# Altium PCB Copy of GameBoard_V1I1_083018.PcbDoc (part 17 of 21) (continued)
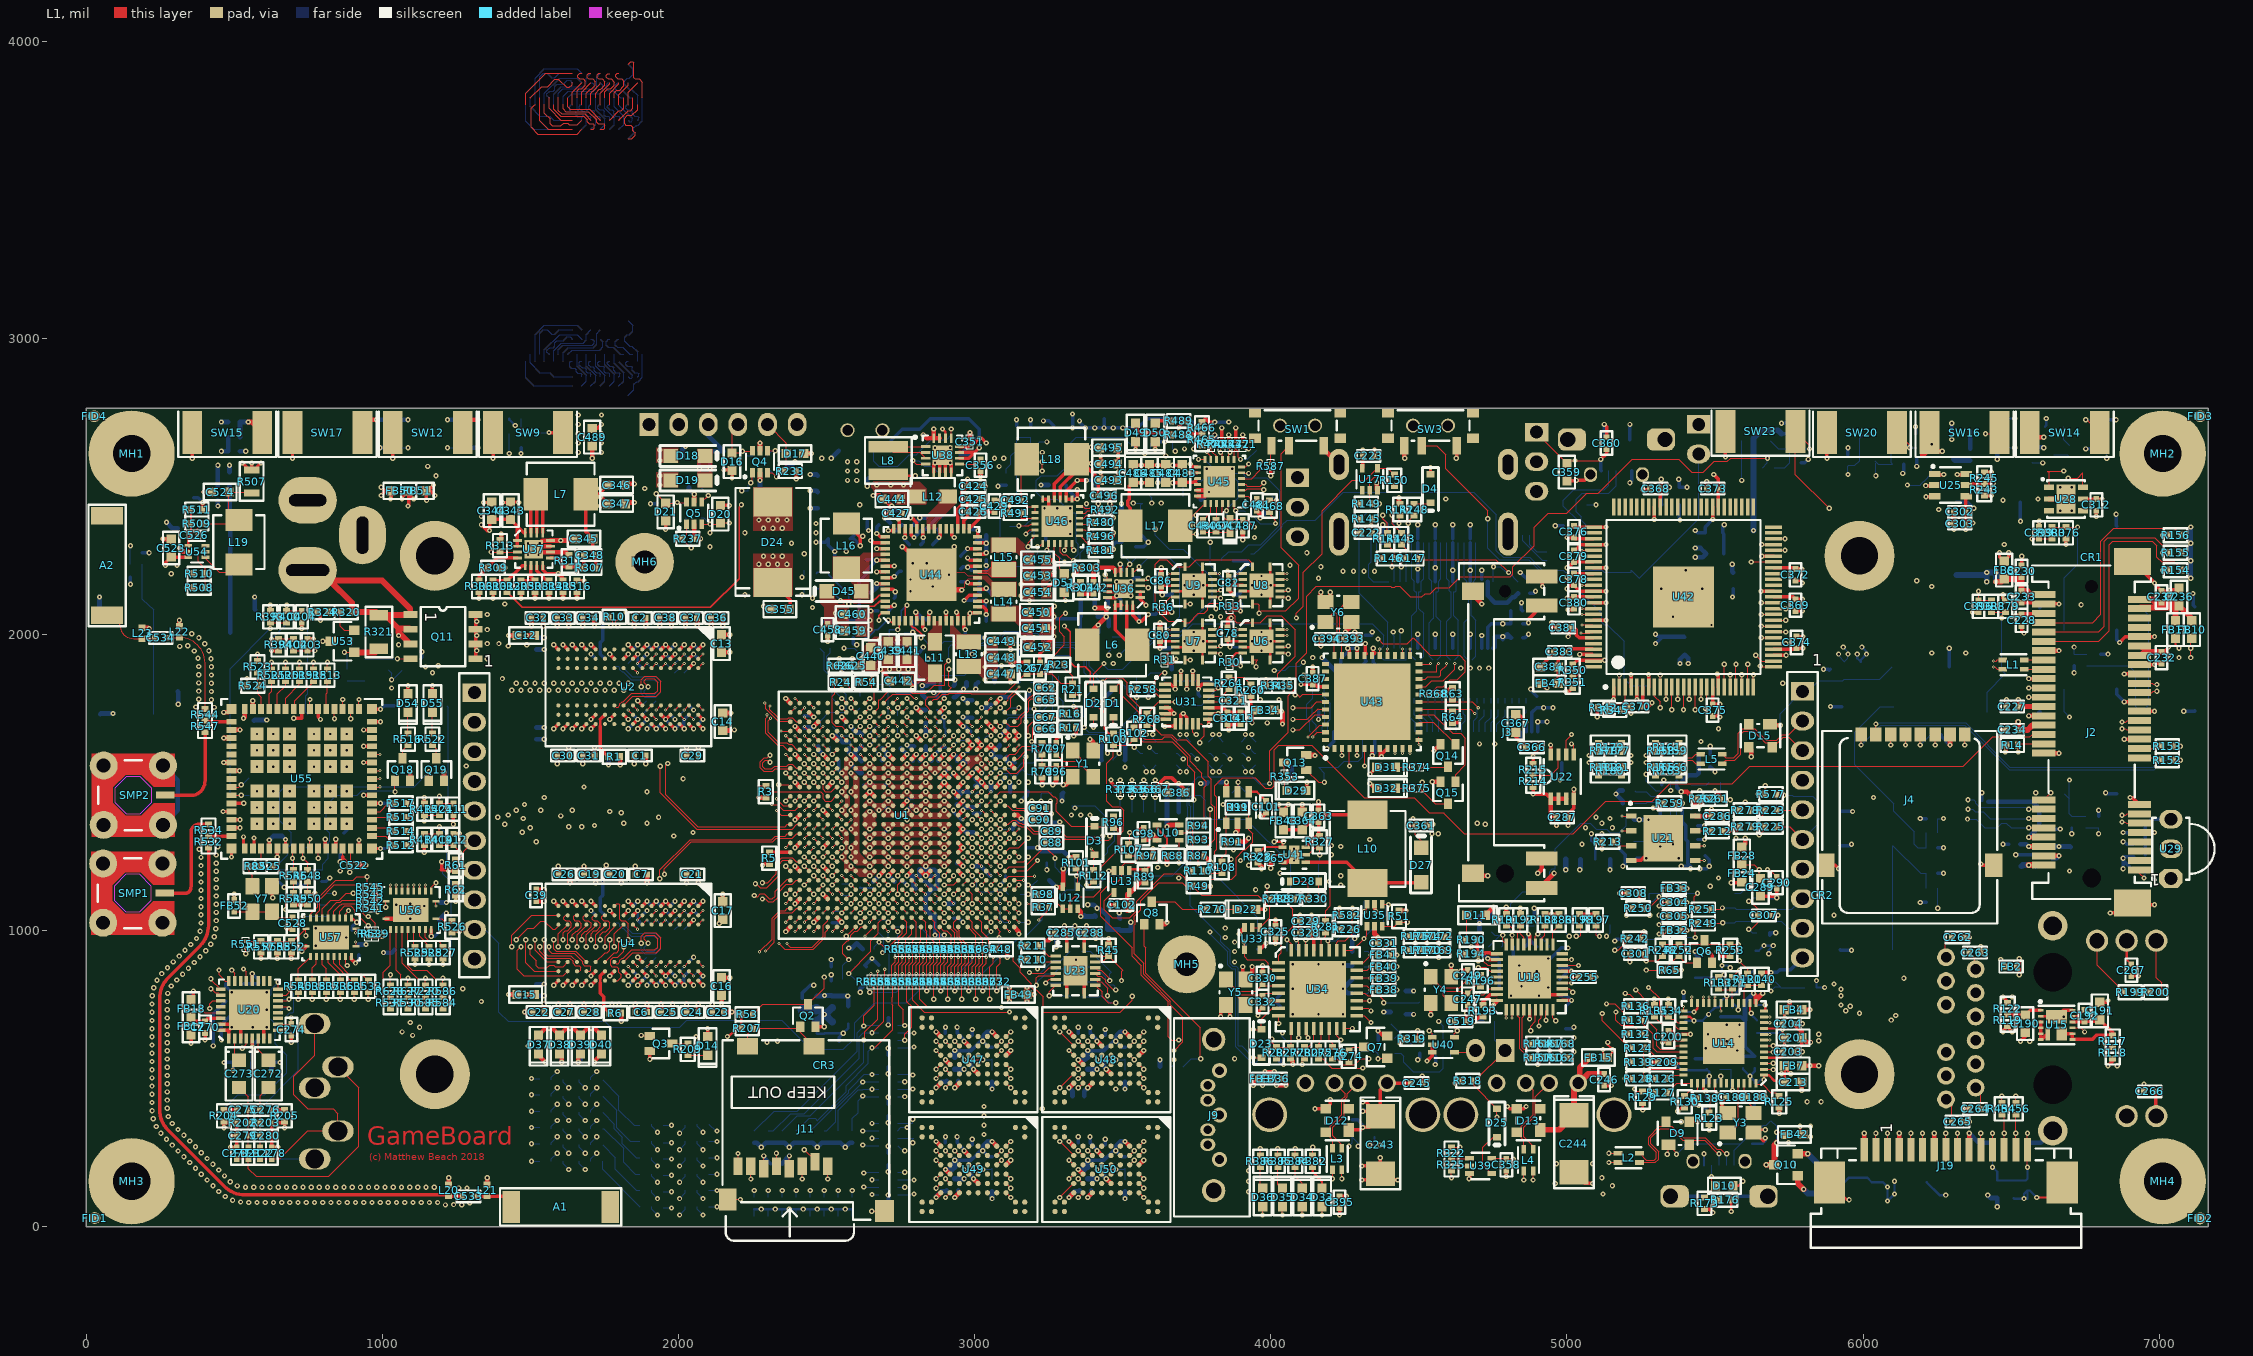
[diagram p0: L1 view]
## Nets (pads, with @x,y where several pads share a name; then routed paths per layer and width w, separated by ;. In a path a pad name is that pad's centre, name@x,y a point inside that pad or via, vN(x,y) a via of type N, cw(c..) or ccw(c..) an arc to the next point about the centre after c; other vN are vias at no path point) (continued)
  L12 w3.94: v1(3437.01,1901.57) 3437.01,1893.7 3448.82,1881.89 3500,1881.89 3625.98,2007.87 3696.85,2007.87 TP39.1@3803.15,2114.17 3803.15,2188.98 3704.72,2287.4 3657.48,2287.4 3610.24,2334.65 v1(3610.24,2354.33) ; D44.2@5589.8,2653.54 5589.8,2599.18 R433.1@5590.55,2598.43 v1(5590.55,2519.68)
QB0: R331.1 U42.10 | length 1165.1
  L1 w3.66: v2(5334.65,1780.51) U42.10@5334.65,1821.85
  L10 w3.66: 5220.47,1751.97 5236.22,1736.22 5330.71,1736.22 5334.65,1740.16 v2(5334.65,1780.51)
  L10 w3.94: v5(4484.25,1734.94) 4484.25,1708.66 4578.74,1614.17 4677.84,1614.17 4685.71,1606.3 4804.17,1606.3 4812.04,1614.17 4858.27,1614.17 4866.56,1605.88 4873.08,1605.88 4881.37,1614.17 4921.26,1614.17 4929.13,1606.3 4946.08,1606.3 4960.63,1620.85 4960.63,1649.45 5063.15,1751.97 5220.47,1751.97
  L11 w3.94: v5(4484.25,1734.94) v6(4484.25,1783.46)
  L12 w3.66: R331.1@4484.25,1766.34 v6(4484.25,1783.46)
QB1: R332.1 U42.11 | length 1247.6
  L1 w3.66: v2(5354.33,1745.08) U42.11@5354.33,1821.85
  L10 w3.94: v5(4460.63,1734.94) 4460.63,1656.89 4525.98,1591.54 4557.3,1591.54 4567.14,1601.38 4679.5,1601.38 4682.45,1598.43 4807.43,1598.43 4810.38,1601.38 4859.93,1601.38 4863.3,1598.01 4876.34,1598.01 4879.71,1601.38 4891.94,1601.38 4898.83,1594.49 4948.82,1594.49 4979.64,1625.31 4979.64,1657.32 5011.29,1688.98 5307.09,1688.98 5358.27,1740.16 v2@5350.39,1748.03
  L11 w3.94: v5(4460.63,1734.94) v6(4460.63,1783.46)
  L12 w3.66: R332.1@4460.63,1766.34 v6(4460.63,1783.46)
QB2: R333.1 U42.12 | length 1287.1
  L1 w3.66: v2(5374.02,1780.51) U42.12@5374.02,1821.85
  L10 w3.94: v5(4437.01,1734.94) 4437.01,1665.35 4530.51,1571.85 4925.43,1571.85 4931.06,1577.48 4942.95,1577.48 4987.51,1622.05 4987.51,1654.06 5011.29,1677.84 5043.31,1677.84 5046.57,1681.1 5310.35,1681.1 5330.03,1700.79 5342.52,1700.79 5370.08,1728.35 v2@5370.08,1783.46
  L11 w3.94: v5(4437.01,1734.94) v6(4437.01,1783.46)
  L12 w3.66: R333.1@4437.01,1766.34 v6(4437.01,1783.46)
QB3: R334.1 U42.13 | length 1333
  L1 w3.66: v2(5393.7,1745.08) U42.13@5393.7,1821.85
  L10 w3.94: v5(4413.39,1734.94) 4413.39,1669.29 4523.62,1559.06 4854.09,1559.06 4856.77,1561.73 4926.44,1561.73 4934.32,1569.61 4946.21,1569.61 4996.06,1619.46 4996.06,1637.8 5004.92,1646.65 5023.26,1646.65 5049.83,1673.23 5313.61,1673.23 5333.29,1692.91 5358.27,1692.91 5389.76,1724.41 v2@5389.76,1748.03
  L11 w3.94: v5(4413.39,1734.94) v6(4413.39,1783.46)
  L12 w3.66: R334.1@4413.39,1766.34 v6(4413.39,1783.46)
QB4: R335.1 U42.14 | length 1373.9
  L1 w3.66: v2(5413.39,1780.51) U42.14@5413.39,1821.85
  L10 w3.94: v5(4389.76,1734.94) 4389.76,1672.55 4511.14,1551.18 4857.35,1551.18 4860.03,1553.86 4929.71,1553.86 4937.58,1561.73 4959.37,1561.73 5012.8,1615.16 5021.86,1615.16 5030.51,1623.81 5030.51,1626.23 5069.63,1665.35 5316.87,1665.35 5336.56,1685.04 5374.02,1685.04 5409.45,1720.47 v2@5409.45,1783.46
  L11 w3.94: v5(4389.76,1734.94) v6(4389.76,1783.46)
  L12 w3.66: R335.1@4389.76,1766.34 v6(4389.76,1783.46)
QB5: R336.1 U42.15 | length 1434.4
  L1 w3.66: v2(5433.07,1745.08) U42.15@5433.07,1821.85
  L10 w3.94: v5(4366.14,1734.94) 4366.14,1685.04 4511.81,1539.37 4602.36,1539.37 4606.3,1535.43 4852.74,1535.43 4863.29,1545.98 4932.97,1545.98 4940.84,1553.86 4971.7,1553.86 5038.39,1620.54 5038.39,1622.97 5072.89,1657.48 5320.13,1657.48 5339.82,1677.17 5405.51,1677.17 5429.13,1700.79 v2@5429.13,1748.03
  L11 w3.94: v5(4366.14,1734.94) v6(4366.14,1783.46)
  L12 w3.66: R336.1@4366.14,1766.34 v6(4366.14,1783.46)
QB6: R337.1 U42.16 | length 1483.9
  L1 w3.66: v2(5452.76,1780.51) U42.16@5452.76,1821.85
  L10 w3.94: v5(4342.52,1734.94) 4342.52,1696.85 4514.76,1524.61 4554.65,1524.61 4559.57,1519.68 4848.13,1519.68 4866.55,1538.11 4936.23,1538.11 4944.1,1545.98 4974.96,1545.98 5046.26,1617.28 5046.26,1619.71 5076.15,1649.61 5323.39,1649.61 5343.08,1669.29 5417.32,1669.29 5448.82,1700.79 v2@5448.82,1783.46
  L11 w3.94: v5(4342.52,1734.94) v6(4342.52,1783.46)
  L12 w3.66: R337.1@4342.52,1766.34 v6(4342.52,1783.46)
QB7: R338.1 U42.17 | length 1551.8
  L1 w3.66: v2@5472.44,1745.08 U42.17@5472.44,1821.85
  L10 w3.94: v5(4318.9,1734.94) 4318.9,1685.04 4487.2,1516.73 4551.39,1516.73 4564.19,1503.94 4865.28,1503.94 4891.58,1530.24 4939.49,1530.24 4947.36,1538.11 4978.22,1538.11 5054.13,1614.02 5054.13,1616.45 5079.42,1641.73 5326.66,1641.73 5346.34,1661.42 5437.01,1661.42 5468.5,1692.91 v2(5468.5,1748.03)
  L11 w3.94: v5(4318.9,1734.94) v6(4318.9,1783.46)
  L12 w3.66: R338.1@4318.9,1766.34 v6(4318.9,1783.46)
QDE: R361.1 U42.46 | length 1935.6
  L1 w3.94: U42.46@5697.83,2283.46 v1(5736.22,2283.46)
  L10 w3.94: v5(4236.22,1761.22) 4247.44,1772.44 4265.8,1772.44 4281.55,1788.19 4573.5,1788.19 4581.17,1780.51 4708.29,1780.51 4719.12,1791.34 4741.43,1791.34 4743.5,1793.41 4745.49,1793.41 4817.6,1865.52 4817.6,2018.39 4839.57,2040.35 4839.57,2052.01 4857.44,2069.88 4869.09,2069.88 4964.57,2165.35 4964.57,2181.1 4992.13,2208.66 5078.74,2208.66 5086.61,2200.79 5484.93,2200.79 5571.54,2287.4 5598.43,2287.4 5610.24,2299.21 5632.66,2299.21 5651.36,2317.91 5686.02,2317.91 5720.47,2283.46 v1(5736.22,2283.46)
  L11 w3.94: v6(4224.41,1773.03) v5(4236.22,1761.22)
  L12 w3.66: R361.1@4224.41,1755.91 v6(4224.41,1773.03)
QE0: R339.1 U42.20 | length 1147.1
  L1 w3.66: U42.20@5531.5,1821.85 v2(5531.5,1898.62)
  L10 w3.94: v5(4673.23,1734.94) 4673.23,1732.28 4688.98,1716.54 4842,1716.54 4852.83,1727.36 4853.92,1727.36 4857.56,1723.72 4866.85,1723.72 4890.75,1747.62 4890.75,1764.61 4908.62,1782.48 4943.9,1782.48 4965.55,1804.13 4965.55,1819.72 4983.42,1837.6 4999.02,1837.6 5114.17,1952.76 5476.38,1952.76 v2@5527.56,1901.57
  L11 w3.94: v5(4673.23,1734.94) v6(4673.23,1783.46)
  L12 w3.66: R339.1@4673.23,1766.34 v6(4673.23,1783.46)
QE1: R340.1 U42.21 | length 1191.4
  L1 w3.66: U42.21@5551.18,1821.85 v2(5551.18,1863.19)
  L10 w3.94: v5(4649.61,1734.94) 4679.82,1704.72 4841.33,1704.72 4856.09,1689.96 4868.32,1689.96 4876.97,1698.61 4876.97,1722.7 4898.62,1744.35 4898.62,1761.35 4911.88,1774.61 4947.16,1774.61 4973.43,1800.87 4973.43,1816.46 4986.69,1829.72 5002.28,1829.72 5113.5,1940.94 5460.63,1940.94 5535.43,1866.14 v2@5547.24,1866.14
  L11 w3.94: v5(4649.61,1734.94) v6(4649.61,1783.46)
  L12 w3.66: R340.1@4649.61,1766.34 v6(4649.61,1783.46)
QE2: R341.1 U42.22 | length 1385.6
  L1 w3.66: U42.22@5570.87,1821.85 v2(5570.87,1898.62)
  L10 w3.94: v5(4625.98,1734.94) 4616.45,1725.41 4616.45,1698.06 4632.43,1682.09 4871.58,1682.09 4884.84,1695.35 4884.84,1708.87 4895.46,1719.49 4896.65,1719.49 4906.5,1729.33 4906.5,1758.08 4915.14,1766.73 4950.42,1766.73 4981.3,1797.61 4981.3,1813.2 4989.95,1821.85 5005.54,1821.85 5112.82,1929.13 5459.95,1929.13 5484.25,1904.84 5484.25,1870.08 5493.11,1861.22 5493.11,1860.03 5510.62,1842.52 5555.12,1842.52 5566.93,1854.33 v2@5566.93,1901.57
  L11 w3.94: v5(4625.98,1734.94) v6(4625.98,1783.46)
  L12 w3.66: R341.1@4625.98,1766.34 v6(4625.98,1783.46)
QE3: R343.1 U42.23 | length 1313.7
  L1 w3.66: U42.23@5590.55,1821.85 v2(5590.55,1863.19)
  L10 w3.94: v5(4602.36,1734.94) 4602.36,1698.59 4626.74,1674.21 4878.94,1674.21 4894.69,1689.96 4922.24,1689.96 4924.6,1692.32 4926.96,1689.96 4939.19,1689.96 4947.83,1698.61 4947.83,1710.84 4945.48,1713.2 4961.23,1713.2 5145.67,1897.64 5338.58,1897.64 5362.2,1874.02 5464.57,1874.02 5515.75,1822.83 5578.74,1822.83 5586.61,1830.71 v2@5586.61,1866.14
  L11 w3.94: v5(4602.36,1734.94) v6(4602.36,1783.46)
  L12 w3.66: R343.1@4602.36,1766.34 v6(4602.36,1783.46)
QE4: R344.1 U42.24 | length 1423.3
  L1 w3.66: U42.24@5610.24,1821.85 v2(5610.24,1898.62)
  L10 w3.94: v5(4578.74,1734.94) 4578.74,1697.53 4609.93,1666.34 4898.62,1666.34 4914.37,1682.09 4942.45,1682.09 4955.71,1695.35 4955.71,1696.54 5144.99,1885.83 5339.26,1885.83 5358.94,1866.14 5440.94,1866.14 5492.13,1814.96 5598.43,1814.96 5606.3,1822.83 v2@5606.3,1901.57
  L11 w3.94: v5(4578.74,1734.94) v6(4578.74,1783.46)
  L12 w3.66: R344.1@4578.74,1766.34 v6(4578.74,1783.46)
QE5: R346.1 U42.25 | length 1376.6
  L1 w3.66: U42.25@5629.92,1821.85 v2(5629.92,1863.19)
  L10 w3.94: v5(4555.12,1734.94) 4555.12,1696.85 4593.5,1658.46 4914.37,1658.46 4930.12,1674.21 4945.71,1674.21 4963.58,1692.09 4963.58,1693.28 5116.76,1846.46 5442.3,1846.46 5481.67,1807.09 5610.24,1807.09 5625.98,1822.83 v2@5625.98,1866.14
  L11 w3.94: v5(4555.12,1734.94) v6(4555.12,1783.46)
  L12 w3.66: R346.1@4555.12,1766.34 v6(4555.12,1783.46)
QE6: R347.1 U42.26 | length 1464.1
  L1 w3.66: v2(5652.56,1892.72) 5655.51,1889.76 U42.26@5697.83,1889.76
  L10 w3.94: v5(4531.5,1734.94) 4531.5,1700.79 4582.68,1649.61 4925.2,1649.61 4941.93,1666.34 4948.97,1666.34 4971.46,1688.82 4971.46,1690.02 5112.15,1830.71 5446.91,1830.71 5486.28,1791.34 5622.05,1791.34 5652.56,1821.85 v2(5652.56,1892.72)
  L11 w3.94: v5(4531.5,1734.94) v6(4531.5,1783.46)
  L12 w3.66: R347.1@4531.5,1766.34 v6(4531.5,1783.46)
QE7: R349.1 U42.27 | length 1616.3
  L1 w3.66: v2(5637.8,1929.13) 5657.48,1909.45 U42.27@5697.83,1909.45
  L10 w3.94: v5(4507.87,1734.94) 4507.87,1708.66 4586.61,1629.92 4673.23,1629.92 4688.98,1614.17 4800.91,1614.17 4809.9,1623.17 4836.27,1623.17 4836.4,1623.03 4922.24,1623.03 5118.11,1818.9 5447.58,1818.9 5483.02,1783.46 5637.8,1783.46 5677.17,1822.83 5677.17,1905.51 5653.54,1929.13 v2(5637.8,1929.13)
  L11 w3.94: v5(4507.87,1734.94) v6(4507.87,1783.46)
  L12 w3.66: R349.1@4507.87,1766.34 v6(4507.87,1783.46)
QHSYNC: R363.1 U42.48 | length 1938.4
  L1 w3.94: U42.48@5697.83,2322.83 v1(5736.22,2322.83)
  L10 w3.94: v5(4283.46,1761.22) 4283.46,1767.84 4288.07,1772.44 4314.96,1772.44 4314.96,1771.65 4321.85,1764.76 4709.11,1764.76 4711.96,1761.91 4725.64,1775.59 4747.96,1775.59 4750.02,1777.66 4752.01,1777.66 4833.35,1859 4833.35,2011.87 4855.31,2033.83 4855.31,2045.49 4863.96,2054.13 4875.62,2054.13 4958.29,2136.81 5018.7,2136.81 5047.24,2165.35 5073.45,2165.35 5093.14,2185.04 5535.43,2185.04 5610.24,2259.84 5627.18,2259.84 5641.94,2245.08 5737.2,2245.08 5751.97,2259.84 5751.97,2307.09 v1(5736.22,2322.83)
  L11 w3.94: v6(4271.65,1773.03) v5(4283.46,1761.22)
  L12 w3.66: R363.1@4271.65,1755.91 v6(4271.65,1773.03)
QODCK: R362.1 U42.44 | length 1707.9
  L1 w3.94: v1(5622.05,2244.09) U42.44@5697.83,2244.09
  L10 w3.94: v5(4307.09,1761.22) 4320.28,1748.03 4572.74,1748.03 4578.74,1754.04 4715.22,1754.04 4728.91,1767.72 4751.22,1767.72 4753.28,1769.78 4755.27,1769.78 4841.23,1855.74 4841.23,1963.27 4863.24,1985.29 4863.91,1985.29 4863.96,1985.24 4876.19,1985.24 4884.84,1993.88 4884.84,2006.12 4884.79,2006.16 4892.51,2013.88 4892.51,2015.08 4974.1,2096.67 4985.91,2096.67 4994.56,2105.31 5006.89,2105.31 5035.43,2133.86 5053.09,2133.86 5092.46,2173.23 5551.18,2173.23 v1(5622.05,2244.09)
  L11 w3.94: v6@4295.28,1771.65 v6(4295.28,1773.03) v5(4307.09,1761.22)
  L12 w3.66: R362.1@4295.28,1755.91 v6(4295.28,1773.03)
QR0: R352.1 U42.30 | length 1101.9
  L1 w3.66: U42.30@5697.83,1968.5 v2(5739.17,1968.5)
  L10 w3.94: v5(4862.2,1734.94) 4862.2,1759.91 4886.74,1784.45 4890.59,1784.45 4908.46,1802.32 4908.46,1814.55 4909.72,1815.81 4909.72,1816.43 4926.96,1833.66 4926.96,1836.61 5037.19,1946.85 5044.02,1946.85 5058.17,1961 5724.78,1961 v2@5735.24,1971.46
  L11 w3.94: v5(4862.2,1734.94) v6(4862.2,1783.46)
  L12 w3.66: R352.1@4862.21,1766.34 v6(4862.2,1783.46)
QR1: R354.1 U42.31 | length 1109.7
  L1 w3.66: v2(5656.5,1988.19) U42.31@5697.83,1988.19
  L10 w3.94: v5(4838.58,1734.94) 4838.58,1747.43 4883.48,1792.32 4887.33,1792.32 4900.59,1805.58 4900.59,1817.81 4901.85,1819.07 4901.85,1819.69 4919.08,1836.92 4919.08,1839.88 5033.93,1954.72 5040.76,1954.72 5118.52,2032.48 5138.01,2032.48 5156.71,2051.18 5334.13,2051.18 5353.81,2031.5 5384.48,2031.5 5404.16,2051.18 5592.52,2051.18 v2@5652.56,1991.14
  L11 w3.94: v5(4838.58,1734.94) v6(4838.58,1783.46)
  L12 w3.66: R354.1@4838.58,1766.34 v6(4838.58,1783.46)
QR2: R355.1 U42.32 | length 1216
  L1 w3.66: U42.32@5697.83,2007.87 v2(5739.17,2007.87)
  L10 w3.94: v5(4814.96,1734.94) 4880.22,1800.2 4884.07,1800.2 4892.72,1808.85 4892.72,1821.69 4911.21,1840.18 4911.21,1843.14 5030.67,1962.6 5037.5,1962.6 5117.13,2042.22 5117.13,2053.36 5125.77,2062.01 5138.01,2062.01 5140.96,2059.06 5337.39,2059.06 5357.07,2039.37 5381.21,2039.37 5400.9,2059.06 5595.78,2059.06 5644.01,2010.83 v2@5735.24,2010.83
  L11 w3.94: v5(4814.96,1734.94) v6(4814.96,1783.46)
  L12 w3.66: R355.1@4814.96,1766.34 v6(4814.96,1783.46)
QR3: R356.1 U42.33 | length 1146.9
  L1 w3.66: v2(5656.5,2027.56) U42.33@5697.83,2027.56
  L10 w3.94: v5(4791.34,1734.94) 4791.34,1750.17 4898.45,1857.28 4914.22,1857.28 5027.41,1970.47 5034.24,1970.47 5109.25,2045.49 5109.25,2056.62 5122.51,2069.88 5141.27,2069.88 5144.22,2066.93 5345.26,2066.93 5352.15,2073.82 5364.38,2073.82 5371.27,2066.93 ; 5373.03,2065.17 5371.27,2066.93 ; v2@5652.56,2030.51 5635.83,2047.24 5618.73,2047.24 5599.04,2066.93 5371.27,2066.93
  L11 w3.94: v5(4791.34,1734.94) v6(4791.34,1783.46)
  L12 w3.66: R356.1@4791.34,1766.34 v6(4791.34,1783.46)
QR4: R357.1 U42.34 | length 1271.3
  L1 w3.66: U42.34@5697.83,2047.24 v2(5739.17,2047.24)
  L10 w3.94: v5(4767.72,1734.94) 4775.47,1742.7 4775.47,1745.44 4872.72,1842.69 4872.72,1846.52 4932.7,1906.5 4947.06,1906.5 4955.71,1915.14 4955.71,1927.38 4954.65,1928.44 4978.56,1952.35 4978.56,1982.65 4987.2,1991.3 4987.2,2002.95 5062.01,2077.76 5144.53,2077.76 5147.48,2074.8 5337.39,2074.8 5344.28,2081.69 5367.64,2081.69 5374.53,2074.8 5602.3,2074.8 5621.99,2055.12 5639.09,2055.12 5644.01,2050.2 v2@5735.24,2050.2
  L11 w3.94: v5(4767.72,1734.94) v6(4767.72,1783.46)
  L12 w3.66: R357.1@4767.72,1766.34 v6(4767.72,1783.46)
QR5: R358.1 U42.35 | length 1226.2
  L1 w3.66: v2(5656.5,2066.93) U42.35@5697.83,2066.93
  L10 w3.94: v5(4744.09,1734.94) 4744.09,1743.54 4744.65,1744.09 4761,1744.09 4763.07,1746.16 4765.06,1746.16 4864.85,1845.96 4864.85,1864.29 4865.47,1864.91 4879.98,1864.91 4928.2,1913.13 4926.18,1915.14 4926.18,1927.38 4934.83,1936.02 4947.06,1936.02 4949.08,1934.01 4970.68,1955.61 4970.68,1985.91 4979.33,1994.56 4979.33,2006.21 5058.75,2085.63 5147.79,2085.63 5150.74,2082.68 5331.85,2082.68 5338.74,2089.57 5370.91,2089.57 5377.8,2082.68 5605.57,2082.68 5618.36,2069.88 v2@5652.56,2069.88
  L11 w3.94: v5(4744.09,1734.94) v6(4744.09,1783.46)
  L12 w3.66: R358.1@4744.1,1766.34 v6(4744.09,1783.46)
QR6: R359.1 U42.36 | length 1356.9
  L1 w3.66: U42.36@5697.83,2086.61 v2(5739.17,2086.61)
  L10 w3.94: v5(4720.47,1734.94) 4724.36,1734.94 4741.39,1751.97 4757.74,1751.97 4759.81,1754.04 4761.79,1754.04 4856.98,1849.22 4856.98,1867.55 4862.2,1872.78 4876.72,1872.78 4918.31,1914.37 4918.31,1930.64 4931.57,1943.9 4947.83,1943.9 4962.81,1958.87 4962.81,1989.17 4971.46,1997.82 4971.46,2014.76 5050.2,2093.5 5098.22,2093.5 5125.77,2121.06 5138.01,2121.06 5146.65,2112.41 5146.65,2097.9 5154,2090.55 5328.59,2090.55 5335.48,2097.44 5374.17,2097.44 5381.06,2090.55 5734.25,2090.55 v2@5735.24,2089.57
  L11 w3.94: v5(4720.47,1734.94) v6(4720.47,1783.46)
  L12 w3.66: R359.1@4720.47,1766.34 v6(4720.47,1783.46)
QR7: R360.1 U42.37 | length 1304.6
  L1 w3.66: v2(5656.5,2106.3) U42.37@5697.83,2106.3
  L10 w3.94: v5(4696.85,1734.94) 4704.6,1734.94 4715.82,1746.16 4724.45,1746.16 4738.13,1759.84 4754.48,1759.84 4756.55,1761.91 4758.53,1761.91 4849.1,1852.48 4849.1,1870.82 4854.33,1876.05 4854.33,1964.57 4867.13,1977.36 4879.46,1977.36 4900.38,1998.29 4900.38,2011.81 4977.36,2088.79 4989.17,2088.79 4997.82,2097.44 5021.29,2097.44 5049.83,2125.98 5119.56,2125.98 5122.51,2128.94 5170.28,2128.94 5189.96,2109.25 v2@5652.56,2109.25
  L11 w3.94: v5(4696.85,1734.94) v6(4696.85,1783.46)
  L12 w3.66: R360.1@4696.85,1766.34 v6(4696.85,1783.46)
QVSYNC: R364.1 U42.47 | length 1799
  L1 w3.94: v1(5657.48,2303.15) U42.47@5697.83,2303.15
  L10 w3.94: v5(4259.84,1761.22) 4265.71,1761.22 4284.81,1780.32 4570.24,1780.32 4577.91,1772.64 4711.56,1772.64 4722.38,1783.46 4744.69,1783.46 4746.76,1785.53 4748.75,1785.53 4825.48,1862.26 4825.48,2015.13 4847.44,2037.09 4847.44,2048.75 4860.7,2062.01 4872.36,2062.01 4983.58,2173.23 5070.19,2173.23 5089.88,2192.91 5488.19,2192.91 5574.8,2279.53 5633.86,2279.53 v1(5657.48,2303.15)
  L11 w3.94: v6(4248.03,1773.03) v5(4259.84,1761.22)
  L12 w3.66: R364.1@4248.03,1755.91 v6(4248.03,1773.03)
REGN1: C487.1 D47.2 R477.2 R478.2 R494.2 U45.22 | length 1565.1
  L1 w3.94: U45.22@3836.61,2440.94 3835.63,2439.96 3835.63,2400.59 3848.43,2387.8 D47.2@3862.2,2387.8 3903.54,2387.8 C487.1@3905.51,2385.83 3921.26,2385.83 v1(3944.88,2362.2)
  L3 w3.94: v1@3299.21,2244.09 v1(3303.15,2244.09) 3282.48,2264.76 3282.48,2286.42 3295.28,2299.21 3408.21,2299.21 3436.76,2327.76 3489.17,2327.76 3499.02,2337.6 3644.69,2337.6 3662.4,2355.31 3937.99,2355.31 v1(3944.88,2362.2)
  L12 w3.94: R478.2@3188.98,2582.68 R477.2@3141.73,2582.68 3141.73,2476.38 3113.19,2447.83 3111.99,2447.83 3086.61,2422.45 3086.61,2279.53 3136.42,2229.72 3244.09,2229.72 3244.49,2229.33 3288.39,2229.33 v1(3303.15,2244.09) 3282.48,2264.76 R494.2@3278.54,2264.76
REGN2: C497.1 D53.2 U46.22 | length 154.1
  L1 w3.94: v1(3149.61,2366.14) 3183.07,2366.14 3188.98,2372.05 U46.22@3204.72,2372.05
  L12 w3.94: D53.2@3118.11,2364.17 3147.64,2364.17 v1(3149.61,2366.14) 3169.29,2366.14 C497.1@3200.79,2397.64
RGMII_INT: R38.2 R130.1 TP10.1 U1.W22 U14.38 | length 4419.5
  L1 w3.66: U1.W22@2566.93,1106.3 v2(2582.68,1122.05)
  L1 w3.94: v1(5374.02,421.26) 5377.95,421.26 R130.1@5397.64,440.94 5413.39,456.69 5433.07,456.69 5440.95,464.57 U14.38@5440.95,484.25
  L3 w3.66: v2(2582.68,1122.05) 2582.68,1130 2598.56,1145.88 2598.56,1146.85 2599.08,1147.36 2599.08,1155.91 2614.31,1171.14 2614.31,1196.64 2631.04,1213.37 2631.04,1222.59 2639.61,1231.16 2649.48,1231.16 2660.3,1241.97 2660.3,1251.85 2702.6,1294.15 2712.48,1294.15 2723.29,1304.97 2723.29,1319.77 2749.15,1345.63 2749.15,1372.2 2765.6,1388.64 2845.33,1388.64 2858.27,1401.57 2858.27,1492.13 2881.89,1515.75 2905.51,1515.75 2912.26,1522.5 2912.26,1535.31 2925.32,1548.37 2970.88,1548.37 3000.14,1577.62 3034.31,1577.62 3038.25,1581.56 3038.25,1605.18 3043.31,1610.24 3099.3,1610.24 3170.16,1539.37 3315.84,1539.37 3382.91,1472.3 3417.15,1472.3 3432.62,1456.83 3452.29,1456.83 3499.54,1409.59 3705.61,1409.59 3732.19,1383.01 3828.22,1383.01 3849.6,1404.39 3895.82,1404.39 3898.5,1401.71 4054.98,1401.71 4074.67,1382.03 4409.19,1382.03 4440.54,1413.39 4570.87,1413.39 4648.48,1335.77 4800.33,1335.77 4807.09,1342.52 4955.69,1342.52 4958.51,1339.7 5033.49,1339.7 5040.49,1346.71 5040.49,1355.78 5053.67,1368.96 5072.31,1368.96 5079.06,1362.2 v1(5118.11,1362.2)
  L10 w3.94: v1(5118.11,1362.2) 5137.8,1342.52 5137.8,1263.78 5145.67,1255.91 5145.67,1222.34 5148.52,1219.49 5151.78,1219.49 5160.43,1210.84 5160.43,1207.58 5182.97,1185.04 5316.31,1185.04 5350.39,1150.96 5350.39,780.72 5357.28,773.83 5357.28,761.6 5350.39,754.71 5350.39,614.17 5362.2,602.36 5362.2,585.94 5411.08,537.06 5377.95,503.94 5377.95,425.2 v1(5374.02,421.26)
  L12 w3.66: R38.2@2551.18,1118.11 2578.74,1118.11 v2(2582.68,1122.05)
  L12 w3.94: TP10.1@5342.52,437.01 5358.27,421.26 v1(5374.02,421.26) v1@5377.95,421.26
RGMII_INT_R: R38.1 U1.V21 | length 55.4
  L1 w3.66: v2(2582.68,1153.54) U1.V21@2598.43,1137.8
  L12 w3.94: R38.1@2551.18,1157.48 2578.74,1157.48 v2(2582.68,1153.54)
RGMII_MDC: R126.1 R128.1 U1.V20 | length 4231
  L1 w3.66: v3(2582.68,1185.04) U1.V20@2598.43,1169.29
  L1 w3.94: v1(5259.84,527.56) R128.1@5259.84,500 R126.1@5299.21,500
  L3 w3.94: v4(2594.49,1173.23) 2594.49,1187.76 2623.31,1216.57 2623.31,1225.8 2631.29,1233.78 2631.29,1241.53 2630.91,1241.92 2630.91,1254.15 2639.55,1262.8 2649.82,1262.8 2660.43,1273.41 2660.43,1283.67 2703.53,1326.77 2719.35,1326.77 2740.16,1347.58 2740.16,1382.66 2756.89,1399.4 2756.89,1411.63 2766.52,1421.26 2780.4,1421.26 2781.38,1422.24 2840.76,1422.24 2849.41,1430.89 2849.41,1525.38 2849.41,1535.64 2860.03,1546.26 2861.51,1546.26 2862.5,1547.24 2892.32,1547.24 2893.3,1548.23 2903.75,1548.23 2912.4,1556.88 2912.4,1558.07 2925.2,1570.87 2944.88,1570.87 2953.74,1579.73 2966.75,1579.73 2970.89,1583.87 2992.13,1583.87 3017.51,1609.25 3027.77,1609.25 3038.39,1619.87 3038.39,1621.06 3039.37,1622.05 3039.37,1631.12 3049.99,1641.73 3074.8,1641.73 3082.68,1633.86 3098.43,1633.86 3114.17,1618.11 3114.17,1606.3 3169.29,1551.18 3314.97,1551.18 3386.12,1480.04 3420.35,1480.04 3435.83,1464.57 3455.5,1464.57 3502.74,1417.32 3708.82,1417.32 3731.46,1394.68 3828.95,1394.68 3846.39,1412.13 3899.03,1412.13 3901.7,1409.45 4058.18,1409.45 4077.87,1389.76 4405.98,1389.76 4449.29,1433.07 4582.68,1433.07 4672.24,1343.5 4776.57,1343.5 4802.17,1369.09 5010.05,1369.09 5013.01,1366.14 5039.92,1366.14 5050.47,1376.69 5057.12,1376.69 5062.32,1381.89 v1(5098.43,1381.89)
  L10 w3.94: v1@5098.43,1385.83 v1(5098.43,1381.89) 5098.43,1208.66 5129.92,1177.17 5290.35,1177.17 5342.52,1125 5342.52,788.6 5327.76,773.83 5327.76,761.6 5342.52,746.84 5342.52,716.54 5259.84,633.86 v1(5259.84,527.56)
  L2 w3.94: v3(2582.68,1185.04) v4(2594.49,1173.23)
RGMII_MDIO: R127.1 R129.1 U1.V23 | length 4154.9
  L1 w3.66: v3(2582.68,1059.06) U1.V23@2598.43,1074.8
  L1 w3.94: v1(5228.35,464.57) 5236.22,456.69 R129.1@5255.91,456.69 5295.28,456.69 R127.1@5299.21,452.76
  L3 w3.94: v4(2594.49,1070.87) 2597.44,1073.82 2597.44,1104.8 2605.31,1112.67 2605.31,1112.83 2618.11,1125.63 2618.11,1144.32 2635.21,1161.42 2645.67,1161.42 2662.4,1178.15 2662.4,1191.15 2702.55,1231.3 2716.23,1231.3 2724.41,1239.48 2724.41,1248.03 2744.09,1267.72 2744.09,1304.34 2767.51,1327.76 2788.39,1327.76 2803.15,1342.52 2813.77,1342.52 2829.51,1358.27 2852.36,1358.27 2882.87,1388.78 2882.87,1411.63 2892.51,1421.26 2921.26,1421.26 2937.01,1437.01 2956.61,1456.61 2956.61,1467.91 2964.75,1476.06 2979.84,1476.06 2995.91,1492.13 3008,1492.13 3015.87,1484.25 3028.75,1484.25 3039.37,1494.87 3039.37,1505.13 3049.99,1515.75 3196.17,1515.75 3204.05,1507.87 3325.26,1507.87 3376.44,1456.69 3410.68,1456.69 3426.16,1441.22 3445.83,1441.22 3493.35,1393.7 3689.65,1393.7 3720.16,1363.19 3846.46,1363.19 3857.28,1374.02 3944.36,1374.02 3955.19,1363.19 3973.94,1363.19 3986.03,1375.28 4059.34,1375.28 4068.2,1366.42 4415.65,1366.42 4442.94,1393.7 4531.5,1393.7 4578.74,1346.46 4622.05,1303.15 4854.33,1303.15 4862.2,1311.02 5047.24,1311.02 5062.99,1326.77 v1(5062.99,1346.46)
  L10 w3.94: v1(5062.99,1346.46) 5062.99,1307.09 5078.74,1291.34 5078.74,1255.91 5090.55,1244.09 5090.55,1205.4 5126.66,1169.29 5165.35,1169.29 5177.17,1157.48 5298.9,1157.48 5334.65,1121.74 5334.65,791.86 5319.88,777.09 5319.88,768.7 5232.91,681.72 5232.91,469.13 v1(5228.35,464.57)
  L2 w3.94: v3(2582.68,1059.06) v4(2594.49,1070.87)
RGMII_R_MDC: R126.2 U14.36 | length 60.2
  L1 w3.94: R126.2@5338.58,500 5350,511.42 U14.36@5394.09,511.42
RGMII_R_MDIO: R127.2 U14.37 | length 95.7
  L1 w3.94: R127.2@5338.58,452.76 5370.08,484.25 U14.37@5421.26,484.25
RGMII_R_RXCLK: R124.2 R139.2 U14.35 | length 180.3
  L1 w3.94: R139.2@5259.84,555.12 R124.2@5259.84,598.43 ; R139.2@5263.78,547.24 5279.92,531.1 U14.35@5394.09,531.1
RGMII_R_TXCLK: R37.1 U1.D21 | length 266.8
  L1 w3.94: U1.D21@3039.37,1137.8 v3(3055.12,1122.05) ; v3(3177.17,1090.55) 3200.79,1090.55 R37.1@3212.6,1078.74
  L3 w3.94: v4(3043.31,1110.24) 3046.26,1113.19 3046.26,1105.09 3051.94,1099.41 3095.99,1099.41 3101.9,1105.32 3155.72,1105.32 3182.3,1078.74 v4(3188.98,1078.74)
  L2 w3.94: v4(3043.31,1110.24) v3(3055.12,1122.05) ; v3(3177.17,1090.55) v4(3188.98,1078.74)
RGMII_RSTn: D3.2 R112.1 R131.1 U14.42 | length 3473
  L1 w3.94: v3(3393.7,1275.59) 3413.16,1256.13 3416.34,1256.13 3401.57,1241.37 R112.1@3401.57,1204.72 ; U14.42@5519.69,484.25 v1(5519.69,507.87)
  L3 w3.94: v4(3393.7,1295.28) 3969.85,1295.28 3996.43,1268.7 4025.9,1268.7 4033.77,1260.83 4112.51,1260.83 4132.2,1241.14 4248.71,1241.14 4283.16,1275.59 4793.92,1275.59 4809.67,1291.34 v1(5051.18,1291.34)
  L10 w3.94: v1(5051.18,1291.34) 5066.93,1275.59 5066.93,1141.73 5122.05,1086.61 5200.79,1086.61 5236.22,1051.18 5236.22,961.46 5290.35,907.33 5290.35,786.42 5225.03,721.09 5225.03,658.1 5186.02,619.09 5186.02,550.48 5169.29,533.74 5169.29,496.06 5251.97,413.39 5314.96,413.39 5417.32,311.02 5489.38,311.02 5499.02,320.66 5499.02,336.82 5480.31,355.52 5480.31,433.07 5519.69,472.44 v1(5519.69,507.87)
  L2 w3.94: v3(3393.7,1275.59) v4(3393.7,1295.28)
  L12 w3.94: R131.1@5507.87,484.25 5507.87,496.06 v1(5519.69,507.87)
RGMII_RSTn_R: R112.2 U1.U21 | length 1438.9
  L1 w3.66: v3(2614.17,1122.05) U1.U21@2629.92,1137.8
  L1 w3.94: v1(3377.95,1153.54) 3389.76,1153.54 R112.2@3401.57,1165.35
  L3 w3.94: v4(2625.98,1110.24) 2625.98,1141.06 2638.47,1153.54 2648.93,1153.54 2664.68,1169.29 2685.04,1169.29 2692.91,1177.17 2692.91,1190.17 2702.55,1199.8 2712.81,1199.8 2736.22,1223.22 2736.22,1244.22 2751.97,1259.97 2751.97,1283.46 2764.76,1296.26 2777.77,1296.26 2807.3,1325.79 2849.41,1325.79 2889.76,1366.14 2957.89,1366.14 2981.51,1342.52 v2(3023.62,1342.52)
  L10 w3.94: v2(3023.62,1342.52) 3027.56,1342.52 3040.35,1355.31 3040.35,1382.87 3062.99,1405.51 3211.4,1405.51 3220.26,1414.37 3273.16,1414.37 3281.03,1422.24 3316.46,1422.24 3326.77,1432.55 3338.58,1420.74 v1(3338.58,1413.39)
  L2 w3.94: v3(2614.17,1122.05) v4(2625.98,1110.24)
  L12 w3.94: v1(3338.58,1413.39) 3334.65,1413.39 3327.76,1420.28 3406.5,1420.28 3444.88,1381.89 3444.88,1358.94 3472.44,1331.38 3472.44,1303.15 3448.82,1279.53 3448.82,1263.78 3389.76,1204.72 3389.76,1165.35 v1(3377.95,1153.54)
RGMII_RXCLK: R124.1 U1.B25 | length 2657.9
  L1 w3.66: U1.B25@3102.36,1011.81 v3(3118.11,996.06)
  L1 w3.94: v1(5119.09,719.49) 5119.09,695.87 5212.6,602.36 R124.1@5220.47,602.36
  L3 w3.94: v4(3106.3,984.25) 3106.3,956.69 3138.78,924.21 3162.92,924.21 3177.68,909.45 3318.38,909.45 3357.75,948.82 3547.24,948.82 3649.61,1051.18 3861.09,1051.18 3900.46,1011.81 3906.19,1011.81 3932.09,985.91 3932.09,927.69 3955.25,904.53 3981.82,904.53 4016.27,870.08 4177.17,870.08 4208.66,901.57 4255.75,901.57 4262.64,908.46 4326.56,908.46 4332.47,902.56 4368.32,902.56 4400.59,934.83 4400.59,947.28 4441.5,988.19 4497.97,988.19 4501.91,992.13 4642.41,992.13 4662.09,972.44 4689.65,972.44 4700.48,961.61 4782.48,961.61 4839.57,904.53 4847.96,904.53 4882.87,869.61 4882.87,781.29 4916.13,748.03 5090.55,748.03 v1(5119.09,719.49)
  L2 w3.94: v4(3106.3,984.25) v3(3118.11,996.06)
RGMII_RXD0: R137.1 U1.C24 U14.32 | length 2885
  L1 w3.66: U1.C24@3070.87,1043.31 v3(3086.61,1027.56)
  L1 w3.94: v1(5133.86,751.97) 5161.42,751.97 5192.91,720.47 5232.28,720.47 5251.97,700.79 R137.1@5251.97,696.85 5251.97,688.98 5291.34,649.61 5291.34,602.36 5303.15,590.55 5373.23,590.55 5373.62,590.16 U14.32@5394.09,590.16
  L3 w3.94: v4(3074.8,1015.75) 3078.06,1015.75 3098.34,995.47 3110.95,995.47 3117.52,988.9 3117.52,957.28 3142.72,932.09 3166.18,932.09 3180.95,917.32 3315.12,917.32 3355.47,957.68 3458.87,957.68 3468.07,966.87 3470.37,964.57 3551.86,964.57 3646.34,1059.06 3864.35,1059.06 3903.72,1019.69 3909.45,1019.69 3939.96,989.17 3939.96,930.95 3958.51,912.4 3985.08,912.4 3996.89,900.59 4177.04,900.59 4185.9,909.45 4252.49,909.45 4259.38,916.34 4293.62,916.34 4309.36,932.09 4341.54,932.09 4405.51,996.06 4494.71,996.06 4498.65,1000 4645.67,1000 4665.35,980.31 4692.91,980.31 4703.74,969.49 4821.08,969.49 4826.69,975.11 4889.4,912.4 4910.43,912.4 4922.24,900.59 4922.24,899.4 4944.67,876.97 5021.86,876.97 5041.55,857.28 5121.06,857.28 5122.05,858.27 5133.86,846.46 v1(5133.86,751.97)
  L2 w3.94: v4(3074.8,1015.75) v3(3086.61,1027.56)